# KiCad board HALTEST.kicad_pcb (continued)
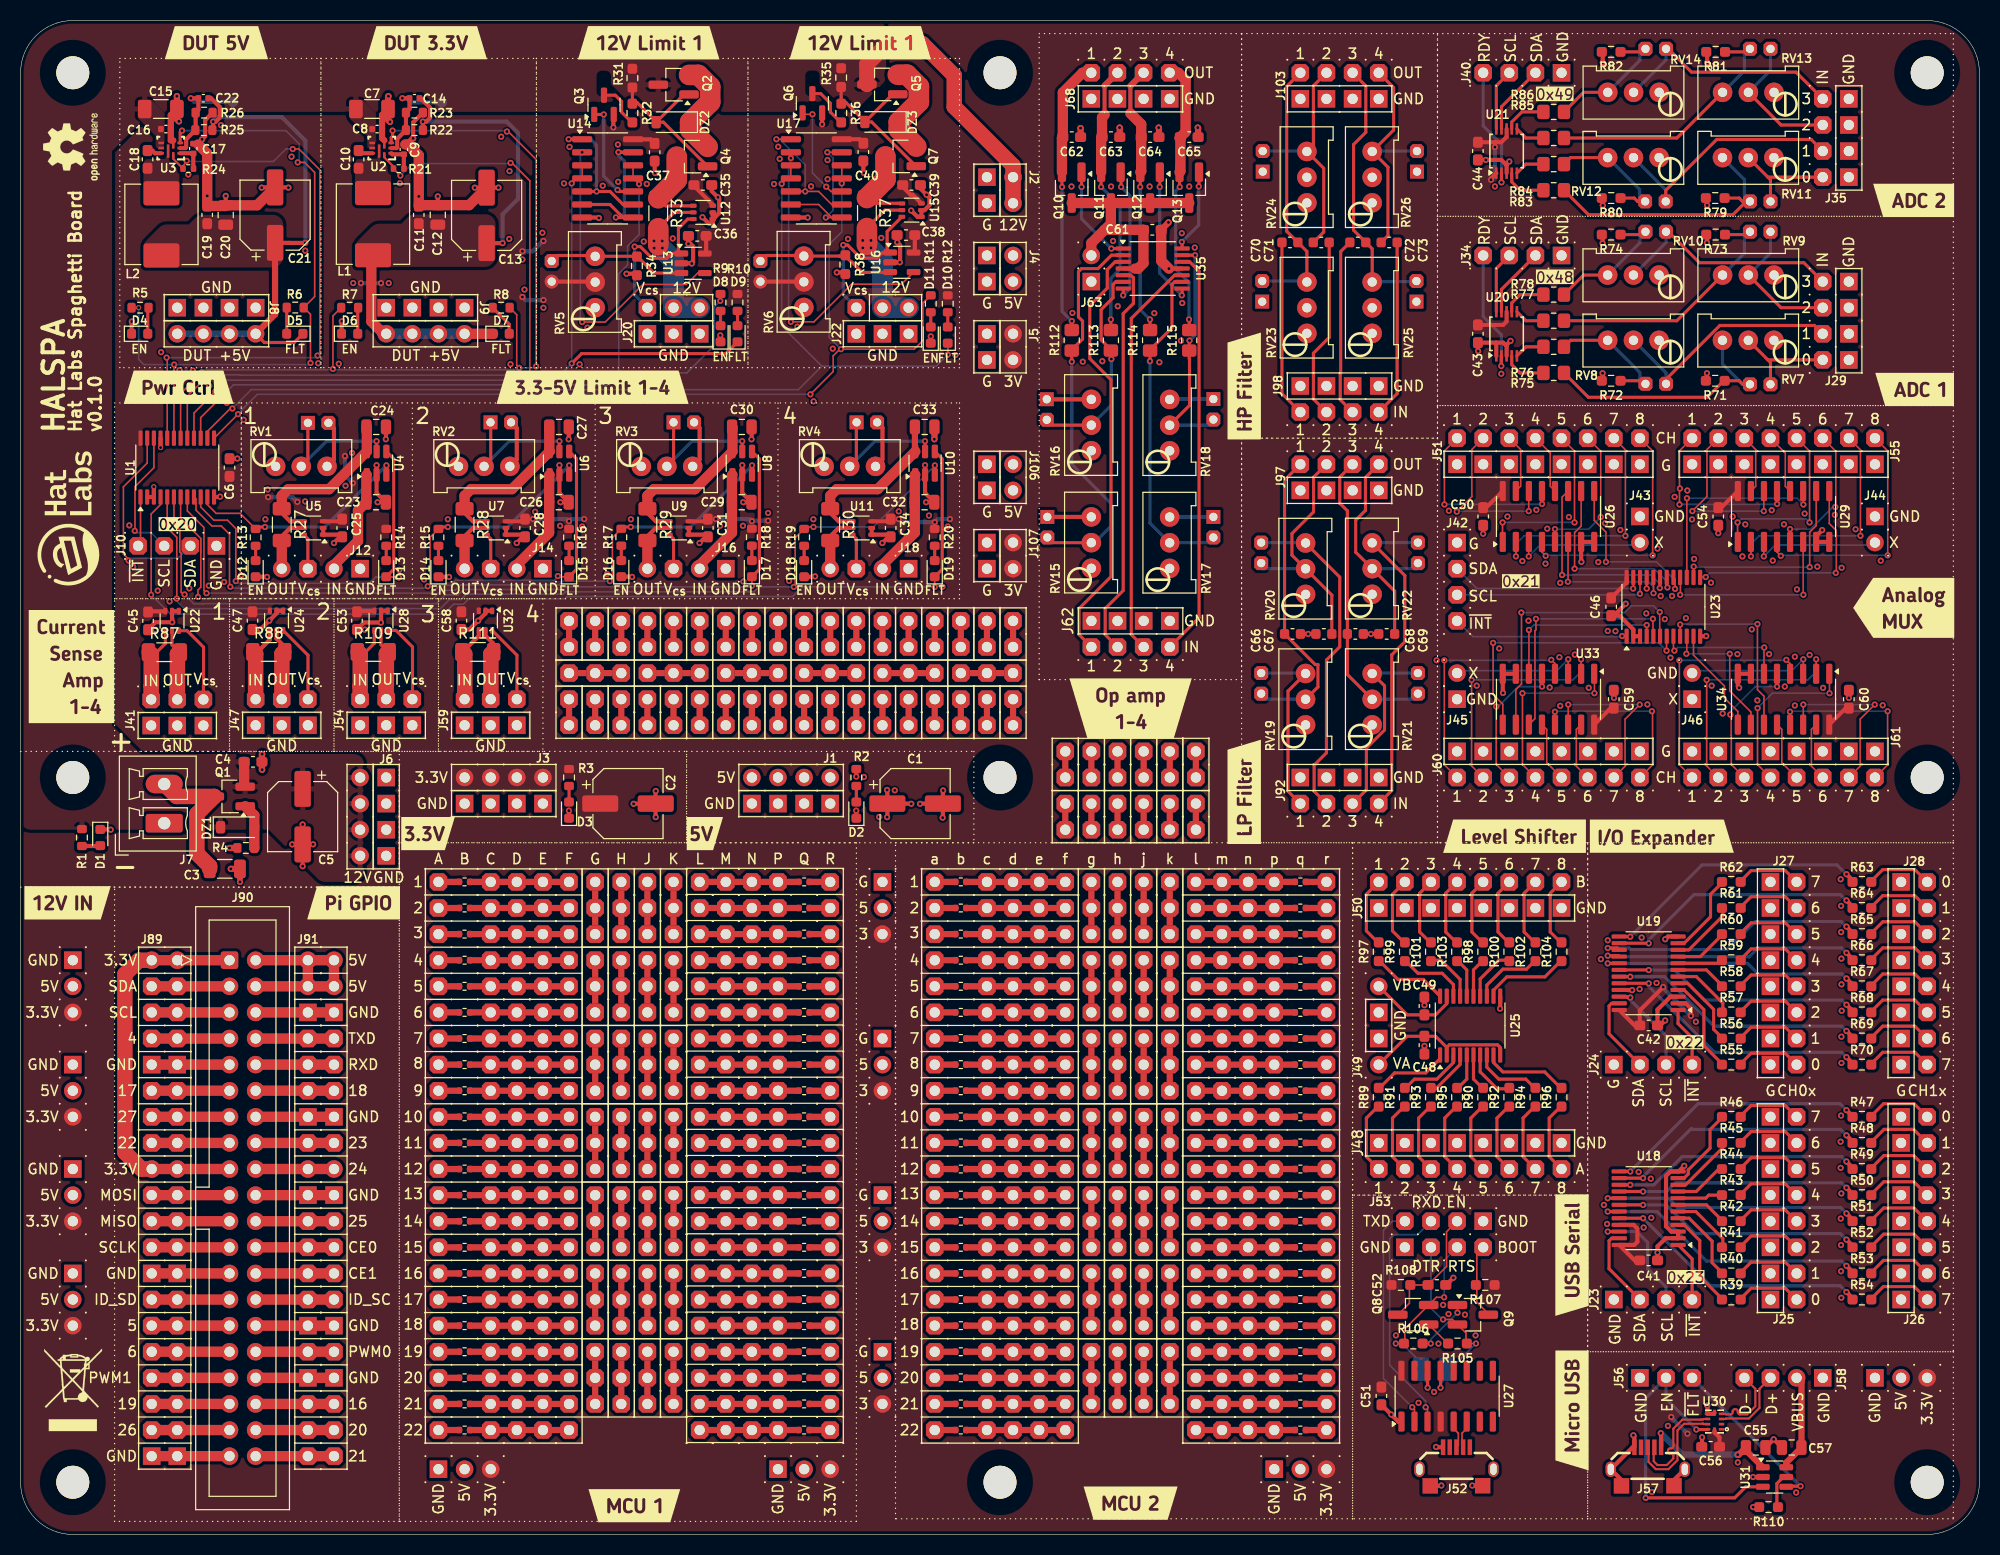
[diagram p0: board, top side]
## Placement (name value [footprint] x y rotation side) (continued)
Q10  SS8050  [SOT-23_Handsoldering]  102.22 131.06 270 top
Q11  SS8050  [SOT-23_Handsoldering]  106.03 131.06 270 top
Q12  SS8050  [SOT-23_Handsoldering]  109.84 131.06 270 top
Q13  SS8050  [SOT-23_Handsoldering]  113.66 131.06 270 top
R1  15k  [R_0603_1608Metric]  5.97 67.82 270 top
R2  5.1k  [R_0603_1608Metric]  81.28 73.66 270 top
R3  1.5k  [R_0603_1608Metric]  53.34 73.66 270 top
R4  100k  [R_0603_1608Metric]  21.91 66.8 180 top
R5  1.5k  [R_0603_1608Metric]  11.62 119.38 0 top
R6  2k  [R_0603_1608Metric]  26.71 119.39 180 top
R7  1.5k  [R_0603_1608Metric]  32 119.38 0 top
R8  2k  [R_0603_1608Metric]  46.74 119.38 180 top
R9  1.5k  [R_0603_1608Metric]  68.07 119.89 270 top
R10  2k  [R_0603_1608Metric]  69.72 119.89 270 top
R11  1.5k  [R_0603_1608Metric]  88.52 119.76 270 top
R12  2k  [R_0603_1608Metric]  90.17 119.76 270 top
R13  1.5k  [R_0603_1608Metric]  22.86 97.03 270 top
R14  2k  [R_0603_1608Metric]  35.56 97.03 270 top
R15  1.5k  [R_0603_1608Metric]  40.64 97.03 270 top
R16  2k  [R_0603_1608Metric]  53.34 97.03 270 top
R17  1.5k  [R_0603_1608Metric]  58.42 97.04 270 top
R18  2k  [R_0603_1608Metric]  71.12 97.04 270 top
R19  1.5k  [R_0603_1608Metric]  76.2 97.03 270 top
R20  2k  [R_0603_1608Metric]  88.9 97.03 270 top
R21  100k  [R_0402_1005Metric]  36.77 132.91 0 top
R22  100k  [R_0603_1608Metric]  38.3 136.66 180 top
R23  22k  [R_0603_1608Metric]  38.3 138.36 0 top
R24  100k  [R_0402_1005Metric]  16.31 132.91 0 top
R25  220k  [R_0603_1608Metric]  17.82 136.66 180 top
R26  30k  [R_0603_1608Metric]  17.85 138.36 0 top
R27  10m  [R_1206_3216Metric_Pad1.30x1.75mm_HandSolder]  25.4 98.27 270 top
R28  10m  [R_1206_3216Metric_Pad1.30x1.75mm_HandSolder]  43.18 98.27 270 top
R29  10m  [R_1206_3216Metric_Pad1.30x1.75mm_HandSolder]  60.96 98.27 270 top
R30  10m  [R_1206_3216Metric_Pad1.30x1.75mm_HandSolder]  78.74 98.27 270 top
R31  20k  [R_0603_1608Metric_Pad0.98x0.95mm_HandSolder]  59.5 141.72 270 top
R32  4.7k  [R_0603_1608Metric_Pad0.98x0.95mm_HandSolder]  59.5 138.32 270 top
R33  10m  [R_1206_3216Metric_Pad1.30x1.75mm_HandSolder]  62.02 128.57 270 top
R34  10k  [R_0603_1608Metric_Pad0.98x0.95mm_HandSolder]  59.94 123.44 270 top
R35  20k  [R_0603_1608Metric_Pad0.98x0.95mm_HandSolder]  79.8 141.77 270 top
R36  4.7k  [R_0603_1608Metric_Pad0.98x0.95mm_HandSolder]  79.81 138.32 270 top
R37  10m  [R_1206_3216Metric_Pad1.30x1.75mm_HandSolder]  82.31 128.59 270 top
R38  10k  [R_0603_1608Metric_Pad0.98x0.95mm_HandSolder]  80.21 123.57 270 top
R39  1k  [R_0603_1608Metric_Pad0.98x0.95mm_HandSolder]  166.37 22.86 0 top
R40  1k  [R_0603_1608Metric_Pad0.98x0.95mm_HandSolder]  166.37 25.4 0 top
R41  1k  [R_0603_1608Metric_Pad0.98x0.95mm_HandSolder]  166.37 27.94 0 top
R42  1k  [R_0603_1608Metric_Pad0.98x0.95mm_HandSolder]  166.37 30.48 0 top
R43  1k  [R_0603_1608Metric_Pad0.98x0.95mm_HandSolder]  166.37 33.02 0 top
R44  1k  [R_0603_1608Metric_Pad0.98x0.95mm_HandSolder]  166.37 35.56 0 top
R45  1k  [R_0603_1608Metric_Pad0.98x0.95mm_HandSolder]  166.37 38.1 0 top
R46  1k  [R_0603_1608Metric_Pad0.98x0.95mm_HandSolder]  166.37 40.64 0 top
R47  1k  [R_0603_1608Metric_Pad0.98x0.95mm_HandSolder]  179.07 40.64 0 top
R48  1k  [R_0603_1608Metric_Pad0.98x0.95mm_HandSolder]  179.07 38.1 0 top
R49  1k  [R_0603_1608Metric_Pad0.98x0.95mm_HandSolder]  179.07 35.56 0 top
R50  1k  [R_0603_1608Metric_Pad0.98x0.95mm_HandSolder]  179.07 33.02 0 top
R51  1k  [R_0603_1608Metric_Pad0.98x0.95mm_HandSolder]  179.07 30.48 0 top
R52  1k  [R_0603_1608Metric_Pad0.98x0.95mm_HandSolder]  179.07 27.94 0 top
R53  1k  [R_0603_1608Metric_Pad0.98x0.95mm_HandSolder]  179.07 25.4 0 top
R54  1k  [R_0603_1608Metric_Pad0.98x0.95mm_HandSolder]  179.07 22.86 0 top
R55  1k  [R_0603_1608Metric_Pad0.98x0.95mm_HandSolder]  166.37 45.72 0 top
R56  1k  [R_0603_1608Metric_Pad0.98x0.95mm_HandSolder]  166.37 48.26 0 top
R57  1k  [R_0603_1608Metric_Pad0.98x0.95mm_HandSolder]  166.37 50.8 0 top
R58  1k  [R_0603_1608Metric_Pad0.98x0.95mm_HandSolder]  166.37 53.34 0 top
R59  1k  [R_0603_1608Metric_Pad0.98x0.95mm_HandSolder]  166.37 55.88 0 top
R60  1k  [R_0603_1608Metric_Pad0.98x0.95mm_HandSolder]  166.37 58.42 0 top
R61  1k  [R_0603_1608Metric_Pad0.98x0.95mm_HandSolder]  166.37 60.96 0 top
R62  1k  [R_0603_1608Metric_Pad0.98x0.95mm_HandSolder]  166.37 63.5 0 top
R63  1k  [R_0603_1608Metric_Pad0.98x0.95mm_HandSolder]  179.07 63.5 0 top
R64  1k  [R_0603_1608Metric_Pad0.98x0.95mm_HandSolder]  179.07 60.96 0 top
R65  1k  [R_0603_1608Metric_Pad0.98x0.95mm_HandSolder]  179.07 58.42 0 top
R66  1k  [R_0603_1608Metric_Pad0.98x0.95mm_HandSolder]  179.07 55.88 0 top
R67  1k  [R_0603_1608Metric_Pad0.98x0.95mm_HandSolder]  179.07 53.34 0 top
R68  1k  [R_0603_1608Metric_Pad0.98x0.95mm_HandSolder]  179.07 50.8 0 top
R69  1k  [R_0603_1608Metric_Pad0.98x0.95mm_HandSolder]  179.07 48.26 0 top
R70  1k  [R_0603_1608Metric_Pad0.98x0.95mm_HandSolder]  179.07 45.72 0 top
R71  10k  [R_0603_1608Metric_Pad0.98x0.95mm_HandSolder]  164.81 112.27 180 top
R72  10k  [R_0603_1608Metric_Pad0.98x0.95mm_HandSolder]  154.69 112.27 180 top
R73  10k  [R_0603_1608Metric_Pad0.98x0.95mm_HandSolder]  164.85 126.49 180 top
R74  10k  [R_0603_1608Metric_Pad0.98x0.95mm_HandSolder]  154.69 126.49 180 top
R75  1k  [R_0805_2012Metric_Pad1.20x1.40mm_HandSolder]  149.1 113.03 0 top
R76  1k  [R_0805_2012Metric_Pad1.20x1.40mm_HandSolder]  149.1 115.57 0 top
R77  1k  [R_0805_2012Metric_Pad1.20x1.40mm_HandSolder]  149.1 118.11 0 top
R78  1k  [R_0805_2012Metric_Pad1.20x1.40mm_HandSolder]  149.1 120.65 0 top
R79  10k  [R_0603_1608Metric_Pad0.98x0.95mm_HandSolder]  164.81 130.05 180 top
R80  10k  [R_0603_1608Metric_Pad0.98x0.95mm_HandSolder]  154.69 130.05 180 top
R81  10k  [R_0603_1608Metric_Pad0.98x0.95mm_HandSolder]  164.85 144.27 180 top
R82  10k  [R_0603_1608Metric_Pad0.98x0.95mm_HandSolder]  154.69 144.27 180 top
R83  1k  [R_0805_2012Metric_Pad1.20x1.40mm_HandSolder]  149.1 130.81 0 top
R84  1k  [R_0805_2012Metric_Pad1.20x1.40mm_HandSolder]  149.1 133.35 0 top
R85  1k  [R_0805_2012Metric_Pad1.20x1.40mm_HandSolder]  149.1 135.89 0 top
R86  1k  [R_0805_2012Metric_Pad1.20x1.40mm_HandSolder]  149.1 138.43 0 top
R87  10m  [R_1206_3216Metric_Pad1.30x1.75mm_HandSolder]  13.98 85.85 0 top
R88  10m  [R_1206_3216Metric_Pad1.30x1.75mm_HandSolder]  24.14 85.88 0 top
R89  1k  [R_0603_1608Metric_Pad0.98x0.95mm_HandSolder]  132.08 42.55 90 top
R90  1k  [R_0603_1608Metric_Pad0.98x0.95mm_HandSolder]  142.24 42.55 90 top
R91  1k  [R_0603_1608Metric_Pad0.98x0.95mm_HandSolder]  134.62 42.55 90 top
R92  1k  [R_0603_1608Metric_Pad0.98x0.95mm_HandSolder]  144.78 42.55 90 top
R93  1k  [R_0603_1608Metric_Pad0.98x0.95mm_HandSolder]  137.16 42.55 90 top
R94  1k  [R_0603_1608Metric_Pad0.98x0.95mm_HandSolder]  147.32 42.55 90 top
R95  1k  [R_0603_1608Metric_Pad0.98x0.95mm_HandSolder]  139.7 42.55 90 top
R96  1k  [R_0603_1608Metric_Pad0.98x0.95mm_HandSolder]  149.86 42.55 90 top
R97  1k  [R_0603_1608Metric_Pad0.98x0.95mm_HandSolder]  132.08 56.71 90 top
R98  1k  [R_0603_1608Metric_Pad0.98x0.95mm_HandSolder]  142.24 56.71 90 top
R99  1k  [R_0603_1608Metric_Pad0.98x0.95mm_HandSolder]  134.62 56.71 90 top
R100  1k  [R_0603_1608Metric_Pad0.98x0.95mm_HandSolder]  144.78 56.71 90 top
R101  1k  [R_0603_1608Metric_Pad0.98x0.95mm_HandSolder]  137.16 56.71 90 top
R102  1k  [R_0603_1608Metric_Pad0.98x0.95mm_HandSolder]  147.32 56.71 90 top
R103  1k  [R_0603_1608Metric_Pad0.98x0.95mm_HandSolder]  139.7 56.71 90 top
R104  1k  [R_0603_1608Metric_Pad0.98x0.95mm_HandSolder]  149.86 56.71 90 top
R105  10k  [R_0603_1608Metric_Pad0.98x0.95mm_HandSolder]  139.74 18.58 180 top
R106  10k  [R_0603_1608Metric_Pad0.98x0.95mm_HandSolder]  135.44 18.58 0 top
R107  10k  [R_0603_1608Metric_Pad0.98x0.95mm_HandSolder]  142.44 24.28 180 top
R108  10k  [R_0603_1608Metric_Pad0.98x0.95mm_HandSolder]  134.24 24.28 0 top
R109  10m  [R_1206_3216Metric_Pad1.30x1.75mm_HandSolder]  34.3 85.88 0 top
R110  49.9k  [R_0603_1608Metric_Pad0.98x0.95mm_HandSolder]  169.99 2.66 180 top
R111  10m  [R_1206_3216Metric_Pad1.30x1.75mm_HandSolder]  44.46 85.88 0 top
R112  200k  [R_0805_2012Metric_Pad1.20x1.40mm_HandSolder]  102.22 116.21 90 top
R113  200k  [R_0805_2012Metric_Pad1.20x1.40mm_HandSolder]  106.03 116.21 90 top
R114  200k  [R_0805_2012Metric_Pad1.20x1.40mm_HandSolder]  109.84 116.21 90 top
R115  200k  [R_0805_2012Metric_Pad1.20x1.40mm_HandSolder]  113.66 116.21 90 top
R116  1k  [R_0402_1005Metric]  76.2 10.16 180 top
R117  1k  [R_0402_1005Metric]  76.2 12.7 180 top
R118  1k  [R_0402_1005Metric]  76.2 15.24 180 top
R119  1k  [R_0402_1005Metric]  76.2 17.78 180 top
R120  1k  [R_0402_1005Metric]  76.2 20.32 180 top
R121  1k  [R_0402_1005Metric]  76.2 22.86 180 top
R122  1k  [R_0402_1005Metric]  76.2 25.4 180 top
R123  1k  [R_0402_1005Metric]  76.2 27.94 180 top
R124  1k  [R_0402_1005Metric]  76.2 30.48 180 top
R125  1k  [R_0402_1005Metric]  76.2 33.02 180 top
R126  1k  [R_0402_1005Metric]  76.2 35.56 180 top
R127  1k  [R_0402_1005Metric]  76.2 38.1 180 top
R128  1k  [R_0402_1005Metric]  76.2 40.64 180 top
R129  1k  [R_0402_1005Metric]  76.2 43.18 180 top
R130  1k  [R_0402_1005Metric]  76.2 45.72 180 top
R131  1k  [R_0402_1005Metric]  76.2 48.26 180 top
R132  1k  [R_0402_1005Metric]  76.2 50.8 180 top
R133  1k  [R_0402_1005Metric]  76.2 53.34 180 top
R134  1k  [R_0402_1005Metric]  76.2 55.88 180 top
R135  1k  [R_0402_1005Metric]  76.2 58.42 180 top
R136  1k  [R_0402_1005Metric]  76.2 60.96 180 top
R137  1k  [R_0402_1005Metric]  76.2 63.5 180 top
R138  1k  [R_0402_1005Metric]  43.18 10.16 0 top
R139  1k  [R_0402_1005Metric]  43.18 12.7 0 top
R140  1k  [R_0402_1005Metric]  43.18 15.24 0 top
R141  1k  [R_0402_1005Metric]  43.18 17.78 0 top
R142  1k  [R_0402_1005Metric]  43.18 20.32 0 top
R143  1k  [R_0402_1005Metric]  43.18 22.86 0 top
R144  1k  [R_0402_1005Metric]  43.18 25.4 0 top
R145  1k  [R_0402_1005Metric]  43.18 27.94 0 top
R146  1k  [R_0402_1005Metric]  43.18 30.48 0 top
R147  1k  [R_0402_1005Metric]  43.18 33.02 0 top
R148  1k  [R_0402_1005Metric]  43.18 35.56 0 top
R149  1k  [R_0402_1005Metric]  43.18 38.1 0 top
R150  1k  [R_0402_1005Metric]  43.18 40.64 0 top
R151  1k  [R_0402_1005Metric]  43.18 43.18 0 top
R152  1k  [R_0402_1005Metric]  43.18 45.72 0 top
R153  1k  [R_0402_1005Metric]  43.18 48.26 0 top
R154  1k  [R_0402_1005Metric]  43.18 50.8 0 top
R155  1k  [R_0402_1005Metric]  43.18 53.34 0 top
R156  1k  [R_0402_1005Metric]  43.18 55.88 0 top
R157  1k  [R_0402_1005Metric]  43.18 58.42 0 top
R158  1k  [R_0402_1005Metric]  43.18 60.96 0 top
R159  1k  [R_0402_1005Metric]  43.18 63.5 0 top
R160  1k  [R_0402_1005Metric]  124.46 10.16 180 top
R161  1k  [R_0402_1005Metric]  124.46 12.7 180 top
R162  1k  [R_0402_1005Metric]  124.46 15.24 180 top
R163  1k  [R_0402_1005Metric]  124.46 17.78 180 top
R164  1k  [R_0402_1005Metric]  124.46 20.32 180 top
R165  1k  [R_0402_1005Metric]  124.46 22.86 180 top
R166  1k  [R_0402_1005Metric]  124.46 25.4 180 top
R167  1k  [R_0402_1005Metric]  124.46 27.94 180 top
R168  1k  [R_0402_1005Metric]  124.46 30.48 180 top
R169  1k  [R_0402_1005Metric]  124.46 33.02 180 top
R170  1k  [R_0402_1005Metric]  124.46 35.56 180 top
R171  1k  [R_0402_1005Metric]  124.46 38.1 180 top
R172  1k  [R_0402_1005Metric]  124.46 40.64 180 top
R173  1k  [R_0402_1005Metric]  124.46 43.18 180 top
R174  1k  [R_0402_1005Metric]  124.46 45.72 180 top
R175  1k  [R_0402_1005Metric]  124.46 48.26 180 top
R176  1k  [R_0402_1005Metric]  124.46 50.8 180 top
R177  1k  [R_0402_1005Metric]  124.46 53.34 180 top
R178  1k  [R_0402_1005Metric]  124.46 55.88 180 top
R179  1k  [R_0402_1005Metric]  124.46 58.42 180 top
R180  1k  [R_0402_1005Metric]  124.46 60.96 180 top
R181  1k  [R_0402_1005Metric]  124.46 63.5 180 top
R182  1k  [R_0402_1005Metric]  91.44 10.16 0 top
R183  1k  [R_0402_1005Metric]  91.44 12.7 0 top
R184  1k  [R_0402_1005Metric]  91.44 15.24 0 top
R185  1k  [R_0402_1005Metric]  91.44 17.78 0 top
R186  1k  [R_0402_1005Metric]  91.44 20.32 0 top
R187  1k  [R_0402_1005Metric]  91.44 22.86 0 top
R188  1k  [R_0402_1005Metric]  91.44 25.4 0 top
R189  1k  [R_0402_1005Metric]  91.44 27.94 0 top
R190  1k  [R_0402_1005Metric]  91.44 30.48 0 top
R191  1k  [R_0402_1005Metric]  91.44 33.02 0 top
R192  1k  [R_0402_1005Metric]  91.44 35.56 0 top
R193  1k  [R_0402_1005Metric]  91.44 38.1 0 top
R194  1k  [R_0402_1005Metric]  91.44 40.64 0 top
R195  1k  [R_0402_1005Metric]  91.44 43.18 0 top
R196  1k  [R_0402_1005Metric]  91.44 45.72 0 top
R197  1k  [R_0402_1005Metric]  91.44 48.26 0 top
R198  1k  [R_0402_1005Metric]  91.44 50.8 0 top
R199  1k  [R_0402_1005Metric]  91.44 53.34 0 top
R200  1k  [R_0402_1005Metric]  91.44 55.88 0 top
R201  1k  [R_0402_1005Metric]  91.44 58.42 0 top
R202  1k  [R_0402_1005Metric]  91.44 60.96 0 top
R203  1k  [R_0402_1005Metric]  91.44 63.5 0 top
REF**  -  [Pad_1x03_P2.54_1.7x1.7_Rect-2Rnd]  40.64 6.35 90 top
REF**#2  -  [Pad_1x02_P2.54_1.7x1.7_Oct_Connected]  93.98 81.28 0 top
REF**#3  -  [Pad_1x02_P2.54_1.7x1.7_Oct_Connected]  111.76 71.12 0 top
REF**#4  -  [Pad_1x02_P2.54_1.7x1.7_Oct_Connected]  58.42 81.28 0 top
REF**#5  -  [Pad_1x03_P2.54_1.7x1.7_Oct_Connected]  111.76 48.26 0 top
REF**#6  -  [Pad_1x02_P2.54_1.7x1.7_Oct_Connected]  66.04 81.28 0 top
REF**#7  -  [Pad_1x02_P2.54_1.7x1.7_Oct_Connected]  109.22 71.12 0 top
REF**#8  -  [Pad_1x02_P2.54_1.7x1.7_Oct_Connected]  81.28 88.9 0 top
REF**#9  -  [Pad_1x03_P2.54_1.7x1.7_Rect-2Rnd]  83.82 48.26 0 top
REF**#10  -  [Pad_1x03_P2.54_1.7x1.7_Rect-2Rnd]  73.66 6.35 90 top
REF**#11  -  [Pad_1x03_P2.54_1.7x1.7_Oct_Connected]  104.14 33.02 0 top
REF**#12  -  [Pad_1x03_P2.54_1.7x1.7_Rect-2Rnd]  5.08 35.56 0 top
REF**#13  -  [Pad_1x03_P2.54_1.7x1.7_Oct_Connected]  55.88 25.4 0 top
REF**#14  -  [Pad_1x03_P2.54_1.7x1.7_Oct_Connected]  104.14 48.26 0 top
REF**#15  -  [Pad_1x02_P2.54_1.7x1.7_Oct_Connected]  60.96 88.9 0 top
REF**#16  -  [Pad_1x03_P2.54_1.7x1.7_Oct_Connected]  106.68 48.26 0 top
REF**#17  -  [Pad_1x02_P2.54_1.7x1.7_Oct_Connected]  93.98 88.9 0 top
REF**#18  -  [Pad_1x02_P2.54_1.7x1.7_Oct_Connected]  63.5 81.28 0 top
REF**#19  -  [Pad_1x02_P2.54_1.7x1.7_Oct_Connected]  71.12 81.28 0 top
REF**#20  -  [Pad_1x03_P2.54_1.7x1.7_Oct_Connected]  55.88 63.5 0 top
REF**#21  -  [Pad_1x02_P2.54_1.7x1.7_Oct_Connected]  86.36 81.28 0 top
REF**#22  -  [Pad_1x03_P2.54_1.7x1.7_Oct_Connected]  58.42 33.02 0 top
REF**#23  -  [Pad_1x02_P2.54_1.7x1.7_Oct_Connected]  86.36 88.9 0 top
REF**#24  -  [Pad_1x03_P2.54_1.7x1.7_Rect-2Rnd]  5.08 45.72 0 top
REF**#25  -  [Pad_1x03_P2.54_1.7x1.7_Oct_Connected]  63.5 33.02 0 top
REF**#26  -  [Pad_1x03_P2.54_1.7x1.7_Oct_Connected]  63.5 63.5 0 top
REF**#27  -  [Pad_1x03_P2.54_1.7x1.7_Oct_Connected]  60.96 25.4 0 top
REF**#28  -  [Pad_1x03_P2.54_1.7x1.7_Oct_Connected]  109.22 40.64 0 top
REF**#29  -  [Pad_1x03_P2.54_1.7x1.7_Oct_Connected]  60.96 63.5 0 top
REF**#30  -  [Pad_1x02_P2.54_1.7x1.7_Oct_Connected]  53.34 88.9 0 top
REF**#31  -  [Pad_1x03_P2.54_1.7x1.7_Oct_Connected]  109.22 17.78 0 top
REF**#32  -  [Pad_1x03_P2.54_1.7x1.7_Oct_Connected]  76.2 83.82 90 top
REF**#33  -  [Pad_1x03_P2.54_1.7x1.7_Oct_Connected]  104.14 40.64 0 top
REF**#34  -  [Pad_1x02_P2.54_1.7x1.7_Oct_Connected]  106.68 76.2 0 top
REF**#35  -  [Pad_1x03_P2.54_1.7x1.7_Oct_Connected]  111.76 25.4 0 top
REF**#36  -  [Pad_1x03_P2.54_1.7x1.7_Oct_Connected]  106.68 63.5 0 top
REF**#37  -  [Pad_1x03_P2.54_1.7x1.7_Oct_Connected]  55.88 33.02 0 top
REF**#38  -  [Pad_1x02_P2.54_1.7x1.7_Oct_Connected]  114.3 76.2 0 top
REF**#39  -  [Pad_1x03_P2.54_1.7x1.7_Oct_Connected]  106.68 55.88 0 top
REF**#40  -  [Pad_1x02_P2.54_1.7x1.7_Oct_Connected]  111.76 76.2 0 top
REF**#41  -  [Pad_1x02_P2.54_1.7x1.7_Oct_Connected]  114.3 71.12 0 top
REF**#42  -  [Pad_1x02_P2.54_1.7x1.7_Oct_Connected]  78.74 88.9 0 top
REF**#43  -  [Pad_1x03_P2.54_1.7x1.7_Oct_Connected]  63.5 25.4 0 top
REF**#44  -  [Pad_1x03_P2.54_1.7x1.7_Oct_Connected]  58.42 17.78 0 top
REF**#45  -  [Pad_1x03_P2.54_1.7x1.7_Oct_Connected]  83.82 83.82 90 top
REF**#46  -  [Pad_1x03_P2.54_1.7x1.7_Oct_Connected]  55.88 55.88 0 top
REF**#47  -  [Pad_1x03_P2.54_1.7x1.7_Oct_Connected]  60.96 40.64 0 top
REF**#48  -  [Pad_1x03_P2.54_1.7x1.7_Oct_Connected]  109.22 63.5 0 top
REF**#49  -  [Pad_1x02_P2.54_1.7x1.7_Oct_Connected]  88.9 81.28 0 top
REF**#50  -  [Pad_1x03_P2.54_1.7x1.7_Oct_Connected]  111.76 17.78 0 top
REF**#51  -  [Pad_1x03_P2.54_1.7x1.7_Rect-2Rnd]  83.82 33.02 0 top
REF**#52  -  [Pad_1x03_P2.54_1.7x1.7_Oct_Connected]  53.34 83.82 90 top
REF**#53  -  [Pad_1x03_P2.54_1.7x1.7_Oct_Connected]  68.58 83.82 90 top
REF**#54  -  [Pad_1x03_P2.54_1.7x1.7_Oct_Connected]  111.76 33.02 0 top
REF**#55  -  [Pad_1x02_P2.54_1.7x1.7_Oct_Connected]  96.52 81.28 0 top
REF**#56  -  [Pad_1x03_P2.54_1.7x1.7_Oct_Connected]  91.44 83.82 90 top
REF**#57  -  [Pad_1x02_P2.54_1.7x1.7_Oct_Connected]  91.44 81.28 0 top
REF**#58  -  [Pad_1x03_P2.54_1.7x1.7_Oct_Connected]  63.5 48.26 0 top
REF**#59  -  [Pad_1x03_P2.54_1.7x1.7_Oct_Connected]  60.96 48.26 0 top
REF**#60  -  [Pad_1x03_P2.54_1.7x1.7_Oct_Connected]  58.42 55.88 0 top
REF**#61  -  [Pad_1x03_P2.54_1.7x1.7_Oct_Connected]  58.42 40.64 0 top
REF**#62  -  [Pad_1x03_P2.54_1.7x1.7_Oct_Connected]  58.42 63.5 0 top
REF**#63  -  [Pad_1x03_P2.54_1.7x1.7_Oct_Connected]  58.42 48.26 0 top
REF**#64  -  [Pad_1x02_P2.54_1.7x1.7_Oct_Connected]  109.22 76.2 0 top
REF**#65  -  [Pad_1x03_P2.54_1.7x1.7_Oct_Connected]  63.5 40.64 0 top
REF**#66  -  [Pad_1x02_P2.54_1.7x1.7_Oct_Connected]  63.5 88.9 0 top
REF**#67  -  [Pad_1x03_P2.54_1.7x1.7_Oct_Connected]  109.22 33.02 0 top
REF**#68  -  [Pad_1x03_P2.54_1.7x1.7_Oct_Connected]  106.68 17.78 0 top
REF**#69  -  [Pad_1x03_P2.54_1.7x1.7_Oct_Connected]  111.76 40.64 0 top
REF**#70  -  [Pad_1x03_P2.54_1.7x1.7_Oct_Connected]  63.5 17.78 0 top
REF**#71  -  [Pad_1x03_P2.54_1.7x1.7_Oct_Connected]  111.76 55.88 0 top
REF**#72  -  [Pad_1x02_P2.54_1.7x1.7_Oct_Connected]  76.2 88.9 0 top
REF**#73  -  [Pad_1x03_P2.54_1.7x1.7_Oct_Connected]  60.96 33.02 0 top
REF**#74  -  [Pad_1x02_P2.54_1.7x1.7_Oct_Connected]  68.58 81.28 0 top
REF**#75  -  [Pad_1x02_P2.54_1.7x1.7_Oct_Connected]  96.52 88.9 0 top
REF**#76  -  [Pad_1x03_P2.54_1.7x1.7_Oct_Connected]  58.42 25.4 0 top
REF**#77  -  [Pad_1x02_P2.54_1.7x1.7_Oct_Connected]  53.34 81.28 0 top
REF**#78  -  [OSHW-Logo2_7.3x6mm_SilkScreen]  4.95 135.02 90 top
REF**#79  -  [Pad_1x02_P2.54_1.7x1.7_Oct_Connected]  73.66 81.28 0 top
REF**#80  -  [Pad_1x03_P2.54_1.7x1.7_Oct_Connected]  106.68 33.02 0 top
REF**#81  -  [Pad_1x03_P2.54_1.7x1.7_Oct_Connected]  109.22 48.26 0 top
REF**#82  -  [Pad_1x03_P2.54_1.7x1.7_Rect-2Rnd]  5.08 55.88 0 top
REF**#83  -  [Pad_1x02_P2.54_1.7x1.7_Oct_Connected]  60.96 81.28 0 top
REF**#84  -  [Pad_1x02_P2.54_1.7x1.7_Oct_Connected]  83.82 81.28 0 top
REF**#85  -  [Pad_1x03_P2.54_1.7x1.7_Rect-2Rnd]  180.34 15.24 90 top
REF**#86  -  [Pad_1x03_P2.54_1.7x1.7_Rect-2Rnd]  83.82 17.78 0 top
REF**#87  -  [Pad_1x02_P2.54_1.7x1.7_Oct_Connected]  104.14 76.2 0 top
REF**#88  -  [Pad_1x03_P2.54_1.7x1.7_Oct_Connected]  60.96 55.88 0 top
REF**#89  -  [Pad_1x03_P2.54_1.7x1.7_Oct_Connected]  60.96 17.78 0 top
REF**#90  -  [Pad_1x03_P2.54_1.7x1.7_Oct_Connected]  60.96 83.82 90 top
REF**#91  -  [WEEE-Logo_5.6x8mm_SilkScreen]  5.1 14.07 0 top
REF**#92  -  [Pad_1x03_P2.54_1.7x1.7_Oct_Connected]  104.14 17.78 0 top
REF**#93  -  [Pad_1x03_P2.54_1.7x1.7_Oct_Connected]  109.22 25.4 0 top
REF**#94  -  [Pad_1x02_P2.54_1.7x1.7_Oct_Connected]  58.42 88.9 0 top
REF**#95  -  [Pad_1x02_P2.54_1.7x1.7_Oct_Connected]  101.6 76.2 0 top
REF**#96  -  [Pad_1x02_P2.54_1.7x1.7_Oct_Connected]  78.74 81.28 0 top
REF**#97  -  [Pad_1x03_P2.54_1.7x1.7_Oct_Connected]  55.88 17.78 0 top
REF**#98  -  [Pad_1x02_P2.54_1.7x1.7_Oct_Connected]  88.9 88.9 0 top
REF**#99  -  [Pad_1x02_P2.54_1.7x1.7_Oct_Connected]  55.88 81.28 0 top
REF**#100  -  [Pad_1x02_P2.54_1.7x1.7_Oct_Connected]  73.66 88.9 0 top
REF**#101  -  [Pad_1x02_P2.54_1.7x1.7_Oct_Connected]  104.14 71.12 0 top
REF**#102  -  [Pad_1x03_P2.54_1.7x1.7_Oct_Connected]  106.68 40.64 0 top
REF**#103  -  [Pad_1x02_P2.54_1.7x1.7_Oct_Connected]  66.04 88.9 0 top
REF**#104  -  [Pad_1x03_P2.54_1.7x1.7_Oct_Connected]  106.68 25.4 0 top
REF**#105  -  [Pad_1x03_P2.54_1.7x1.7_Oct_Connected]  55.88 48.26 0 top
REF**#106  -  [Pad_1x03_P2.54_1.7x1.7_Oct_Connected]  109.22 55.88 0 top
REF**#107  -  [Pad_1x03_P2.54_1.7x1.7_Rect-2Rnd]  83.82 63.5 0 top
REF**#108  -  [Pad_1x02_P2.54_1.7x1.7_Oct_Connected]  71.12 88.9 0 top
REF**#109  -  [Pad_1x03_P2.54_1.7x1.7_Oct_Connected]  104.14 63.5 0 top
REF**#110  -  [Pad_1x03_P2.54_1.7x1.7_Oct_Connected]  111.76 63.5 0 top
REF**#111  -  [Pad_1x02_P2.54_1.7x1.7_Oct_Connected]  68.58 88.9 0 top
REF**#112  -  [Pad_1x03_P2.54_1.7x1.7_Oct_Connected]  55.88 40.64 0 top
REF**#113  -  [Pad_1x03_P2.54_1.7x1.7_Oct_Connected]  104.14 55.88 0 top
REF**#114  -  [Pad_1x03_P2.54_1.7x1.7_Oct_Connected]  104.14 25.4 0 top
REF**#115  -  [Pad_1x02_P2.54_1.7x1.7_Oct_Connected]  83.82 88.9 0 top
REF**#116  -  [Pad_1x02_P2.54_1.7x1.7_Oct_Connected]  101.6 71.12 0 top
REF**#117  -  [Pad_1x02_P2.54_1.7x1.7_Oct_Connected]  106.68 71.12 0 top
REF**#118  -  [Pad_1x02_P2.54_1.7x1.7_Oct_Connected]  81.28 81.28 0 top
REF**#119  -  [Pad_1x02_P2.54_1.7x1.7_Oct_Connected]  76.2 81.28 0 top
REF**#120  -  [Pad_1x03_P2.54_1.7x1.7_Rect-2Rnd]  121.92 6.35 90 top
REF**#121  -  [Pad_1x03_P2.54_1.7x1.7_Oct_Connected]  63.5 55.88 0 top
REF**#122  -  [Pad_1x03_P2.54_1.7x1.7_Rect-2Rnd]  5.08 25.4 0 top
REF**#123  -  [Pad_1x02_P2.54_1.7x1.7_Oct_Connected]  91.44 88.9 0 top
REF**#124  -  [Pad_1x02_P2.54_1.7x1.7_Oct_Connected]  55.88 88.9 0 top
RV1  0-200k  [RES-ADJ-TH_3P-L9.5-W4.9-P2.50-L_3296W]  27.3 103.94 0 top
RV2  0-200k  [RES-ADJ-TH_3P-L9.5-W4.9-P2.50-L_3296W]  45.09 103.94 0 top
RV3  0-200k  [RES-ADJ-TH_3P-L9.5-W4.9-P2.50-L_3296W]  62.86 103.94 0 top
RV4  0-200k  [RES-ADJ-TH_3P-L9.5-W4.9-P2.50-L_3296W]  80.64 103.94 0 top
RV5  0-100k  [RES-ADJ-TH_3P-L9.5-W4.9-P2.50-L_3296W]  55.88 121.88 90 top
RV6  0-100k  [RES-ADJ-TH_3P-L9.5-W4.9-P2.50-L_3296W]  76.17 121.9 90 top
RV7  0-100k  [RES-ADJ-TH_3P-L9.5-W4.9-P2.50-L_3296W]  168.01 116.21 180 top
RV8  0-100k  [RES-ADJ-TH_3P-L9.5-W4.9-P2.50-L_3296W]  156.84 116.21 180 top
RV9  0-100k  [RES-ADJ-TH_3P-L9.5-W4.9-P2.50-L_3296W]  168.02 122.56 180 top
RV10  0-100k  [RES-ADJ-TH_3P-L9.5-W4.9-P2.50-L_3296W]  156.84 122.56 180 top
RV11  0-100k  [RES-ADJ-TH_3P-L9.5-W4.9-P2.50-L_3296W]  168.01 133.99 180 top
RV12  0-100k  [RES-ADJ-TH_3P-L9.5-W4.9-P2.50-L_3296W]  156.84 133.99 180 top
RV13  0-100k  [RES-ADJ-TH_3P-L9.5-W4.9-P2.50-L_3296W]  168.02 140.34 180 top
RV14  0-100k  [RES-ADJ-TH_3P-L9.5-W4.9-P2.50-L_3296W]  156.85 140.34 180 top
RV15  0-200k  [RES-ADJ-TH_3P-L9.5-W4.9-P2.50-L_3296W]  104.13 96.52 90 top
RV16  0-200k  [RES-ADJ-TH_3P-L9.5-W4.9-P2.50-L_3296W]  104.13 107.96 90 top
RV17  0-200k  [RES-ADJ-TH_3P-L9.5-W4.9-P2.50-L_3296W]  111.75 96.51 90 top
RV18  0-200k  [RES-ADJ-TH_3P-L9.5-W4.9-P2.50-L_3296W]  111.75 107.95 90 top
RV19  0-100k  [RES-ADJ-TH_3P-L9.5-W4.9-P2.50-L_3296W]  124.97 81.28 90 top
RV20  0-100k  [RES-ADJ-TH_3P-L9.5-W4.9-P2.50-L_3296W]  124.97 93.98 90 top
RV21  0-100k  [RES-ADJ-TH_3P-L9.5-W4.9-P2.50-L_3296W]  131.44 81.28 90 top
RV22  0-100k  [RES-ADJ-TH_3P-L9.5-W4.9-P2.50-L_3296W]  131.44 93.99 90 top
RV23  0-100k  [RES-ADJ-TH_3P-L9.5-W4.9-P2.50-L_3296W]  125.09 119.38 90 top
RV24  0-100k  [RES-ADJ-TH_3P-L9.5-W4.9-P2.50-L_3296W]  125.09 132.08 90 top
RV25  0-100k  [RES-ADJ-TH_3P-L9.5-W4.9-P2.50-L_3296W]  131.44 119.38 90 top
RV26  0-100k  [RES-ADJ-TH_3P-L9.5-W4.9-P2.50-L_3296W]  131.44 132.08 90 top
TP1  FB3  [TestPoint_Pad_D1.0mm]  40.98 139.36 0 bottom
TP2  FB3  [TestPoint_Pad_D1.0mm]  20.65 139.41 180 bottom
U1  TCA9535PWR(UMW)  [TSSOP-24_4.4x7.8mm_P0.65mm]  15.24 103.82 90 top
U2  TPS566238PRQFR  [RQF0009A]  35.12 134.91 180 top
U3  TPS566238PRQFR  [RQF0009A]  14.6 134.91 180 top
U4  AP22653AW6-7  [SOT-23-6]  34.62 104.25 90 top
U5  INA199A1DCKR  [SOT-363_SC-70-6]  28.48 97.94 180 top
U6  AP22653AW6-7  [SOT-23-6]  52.4 104.25 90 top
U7  INA199A1DCKR  [SOT-363_SC-70-6]  46.26 97.94 180 top
U8  AP22653AW6-7  [SOT-23-6]  70.18 104.25 90 top
U9  INA199A1DCKR  [SOT-363_SC-70-6]  64.04 97.94 180 top
U10  AP22653AW6-7  [SOT-23-6]  87.96 104.25 90 top
U11  INA199A1DCKR  [SOT-363_SC-70-6]  81.82 97.94 180 top
U12  INA199A1DCKR  [SOT-363_SC-70-6]  66.36 128.65 180 top
U13  LMV321-TR  [SOT-23-5]  65.41 123.7 0 top
U14  74HC02  [SOIC-14_3.9x8.7mm_P1.27mm]  57.09 131.96 0 top
U15  INA199A1DCKR  [SOT-363_SC-70-6]  86.66 128.87 180 top
U16  LMV321-TR  [SOT-23-5]  85.71 123.79 0 top
U17  74HC02  [SOIC-14_3.9x8.7mm_P1.27mm]  77.39 131.96 0 top
U18  TCA9535PWR(UMW)  [TSSOP-24_4.4x7.8mm_P0.65mm]  158.33 31.75 180 top
U19  TCA9535PWR(UMW)  [TSSOP-24_4.4x7.8mm_P0.65mm]  158.33 54.61 180 top
U20  ADS1115IDGS  [TSSOP-10_3x3mm_P0.5mm]  144.52 116.84 90 top
U21  ADS1115IDGS  [TSSOP-10_3x3mm_P0.5mm]  144.52 134.62 90 top
U22  INA199A1DCKR  [SOT-363_SC-70-6]  14.73 88.9 270 top
U23  TCA9535PWR(UMW)  [TSSOP-24_4.4x7.8mm_P0.65mm]  159.77 90.27 90 top
U24  INA199A1DCKR  [SOT-363_SC-70-6]  24.89 88.92 270 top
U25  TXS0108EPW  [TSSOP-20_4.4x6.5mm_P0.65mm]  140.97 49.52 90 top
U26  CD4051B  [SOIC-16_3.9x9.9mm_P1.27mm]  148.59 99.06 90 top
U27  CH340C  [SOIC-16_3.9x9.9mm_P1.27mm]  138.73 13.46 90 top
U28  INA199A1DCKR  [SOT-363_SC-70-6]  35.05 88.92 270 top
U29  CD4051B  [SOIC-16_3.9x9.9mm_P1.27mm]  171.45 99.06 90 top
U30  TS3USB3000RSE  [UQFN-10_L2.0-W1.5-P0.50-BL]  164.74 10.98 90 top
U31  AP22653AW6-7  [SOT-23-6]  170.58 5.59 0 top
U32  INA199A1DCKR  [SOT-363_SC-70-6]  45.21 88.92 270 top
U33  CD4051B  [SOIC-16_3.9x9.9mm_P1.27mm]  148.59 81.28 270 top
U34  CD4051B  [SOIC-16_3.9x9.9mm_P1.27mm]  171.45 81.28 270 top
U35  TLV2374IPW  [TSSOP-14_4.4x5mm_P0.65mm]  110.1 123.19 0 top

## Library data of the parts
C1 C2 C5 = -: Description: Polarized capacitor; LCSC: C5246526; ki_fp_filters: CP_*
C3 = -: Description: Unpolarized capacitor, small symbol; LCSC: C1848; ki_fp_filters: C_*
C4 C6 C25 C28 C31 C34-C50 C53 C54 C56 C58-C65 = -: Description: Unpolarized capacitor, small symbol; LCSC: C15849; ki_fp_filters: C_*
C7 C15 = -: Description: Unpolarized capacitor; LCSC: C13585; ki_fp_filters: C_*
C8 C9 C16 C17 = -: Description: Unpolarized capacitor; LCSC: C52923; ki_fp_filters: C_*
C10 C18 = -: Description: Unpolarized capacitor; LCSC: C14663; ki_fp_filters: C_*
C11 C19 = -: Description: Unpolarized capacitor; LCSC: C15849; ki_fp_filters: C_*
C12 C20 C23 C26 C29 C32 C55 = -: Description: Unpolarized capacitor; LCSC: C15850; ki_fp_filters: C_*
C13 C21 = -: Description: Polarized capacitor; Notes: Min 16V; LCSC: C5246526; ki_fp_filters: CP_*
C14 C22 = -: Description: Unpolarized capacitor; LCSC: C1562; ki_fp_filters: C_*
C24 C27 C30 C33 C57 = -: Description: Unpolarized capacitor, small symbol; LCSC: C15850; ki_fp_filters: C_*
C51 C52 = -: LCSC: C15849; ki_fp_filters: C_*
C66-C69 = -: Description: Unpolarized capacitor, small symbol; LCSC: C77026; ki_fp_filters: C_*
C70-C73 = -: Description: Unpolarized capacitor, small symbol; LCSC: C77036; ki_fp_filters: C_*
D1-D4 D6 D8 D10 D12 D14 D16 D18 = -: Description: Light emitting diode; LCSC: C2986059; Sim.Pins: 1=K 2=A; ki_fp_filters: LED* LED_SMD:* LED_THT:*
D5 D7 D9 D11 D13 D15 D17 D19 = -: Description: Light emitting diode; LCSC: C2286; Sim.Pins: 1=K 2=A; ki_fp_filters: LED* LED_SMD:* LED_THT:*
DZ1-DZ3 = -: Datasheet: https://www.lcsc.com/datasheet/lcsc_datasheet_2411211941_MDD-Microdiode-Semiconductor-BZT52C10_C173431.pdf; Description: Zener 10V; LCSC: C173431; ki_fp_filters: TO-???* *_Diode_* *SingleDiode* D_*
H1-H9 = -: Description: Mounting Hole without connection; ki_fp_filters: MountingHole*
J1 J3 J6 J8 J9 J29 J35 J53 J62 J68 J92 J97 J98 J103 = -: Description: Generic connector, double row, 02x04, odd/even pin numbering scheme (row 1 odd numbers, row 2 even numbers), script generated (kicad-library-utils/schlib/autogen/connector/); ki_fp_filters: Connector*:*_2x??_*
J2 J4 J5 = -: Description: Generic connector, double row, 02x02, odd/even pin numbering scheme (row 1 odd numbers, row 2 even numbers), script generated (kicad-library-utils/schlib/autogen/connector/); ki_fp_filters: Connector*:*_2x??_*
J7 = -: Description: Generic connector, single row, 01x02, script generated (kicad-library-utils/schlib/autogen/connector/); JLCPCB_CORRECTION: 1.905;0;180; THT_LCSC: C8396; ki_fp_filters: Connector*:*_1x??_*
J10 J12 J14 J16 J18 J23 J24 J34 J40 J42 J49 J58 = -: Description: Generic connector, single row, 01x04, script generated (kicad-library-utils/schlib/autogen/connector/); ki_fp_filters: Connector*:*_1x??_*
J11 J13 J15 J17 J19 J21 J30-J33 J36-J39 J43-J46 J63-J67 J93-J96 J99-J102 = -: Description: Generic connector, single row, 01x02, script generated (kicad-library-utils/schlib/autogen/connector/); ki_fp_filters: Connector*:*_1x??_*
J20 J22 J41 J47 J54 J59 = -: Description: Generic connector, double row, 02x03, odd/even pin numbering scheme (row 1 odd numbers, row 2 even numbers), script generated (kicad-library-utils/schlib/autogen/connector/); ki_fp_filters: Connector*:*_2x??_*
J25-J28 J48 J50 J51 J55 J60 J61 = -: Description: Generic connector, double row, 02x08, odd/even pin numbering scheme (row 1 odd numbers, row 2 even numbers), script generated (kicad-library-utils/schlib/autogen/connector/); ki_fp_filters: Connector*:*_2x??_*
J52 J57 = -: Description: USB Micro Type B connector; LCSC: C2834965; JLCPCB_CORRECTION: 1.3;0.5;0; ki_fp_filters: USB*
J56 = -: Description: Generic connector, single row, 01x03, script generated (kicad-library-utils/schlib/autogen/connector/); ki_fp_filters: Connector*:*_1x??_*
J69-J88 = -: Description: Generic connector, single row, 01x22, script generated (kicad-library-utils/schlib/autogen/connector/); ki_fp_filters: Connector*:*_1x??_*
J89 J91 = -: Description: Generic connector, single row, 01x20, script generated (kicad-library-utils/schlib/autogen/connector/); ki_fp_filters: Connector*:*_1x??_*
J90 = -: Description: Generic connector, double row, 02x20, odd/even pin numbering scheme (row 1 odd numbers, row 2 even numbers), script generated (kicad-library-utils/schlib/autogen/connector/); THT_LCSC: C9138; ki_fp_filters: Connector*:*_2x??_*
J106 J107 = -: Description: Generic connector, double row, 02x02, odd/even pin numbering scheme (row 1 odd numbers, row 2 even numbers), script generated (kicad-library-utils/schlib/autogen/connector/)
JP1 JP2 = -: Description: Solder Jumper, 2-pole, closed/bridged; ki_fp_filters: SolderJumper*Bridged*
L1 L2 = -: Description: Inductor; LCSC: C5349701; ki_fp_filters: Choke_* *Coil* Inductor_* L_*
Q1 Q2 Q4 Q5 Q7 = -: Datasheet: https://www.tme.eu/Document/d25b071532a0a1e329733a03427696ee/AO3401A-DTE.pdf; Description: SOT-23 P-MOSFET enchancement mode transistor, 30V, 4A, 1.4W, Alternate KiCAD Library; LCSC: C15127
Q3 Q6 = -: Datasheet: https://www.onsemi.com/pub/Collateral/NDS7002A-D.PDF; Description: 0.115A Id, 60V Vds, N-Channel MOSFET, SOT-23; LCSC: C8545; ki_fp_filters: SOT?23*
Q8 Q9 = -: Description: NPN transistor, base/emitter/collector; LCSC: C2146; JLCPCB_CORRECTION: 0;0;180
